# Altium PCB Ethernet2Mil_Adapter_Dual.PcbDoc (part 5 of 5)
Units mil, origin at the board's own origin, x right, y up, seen from the top; angles counter-clockwise.
Board outline 6000 x 4000 mil, 2 copper layers (Top Layer, Bottom Layer); 318 components, 359 nets, 3384 pads, 22 vias.
Unrouted connection lines stored in the file: 800.
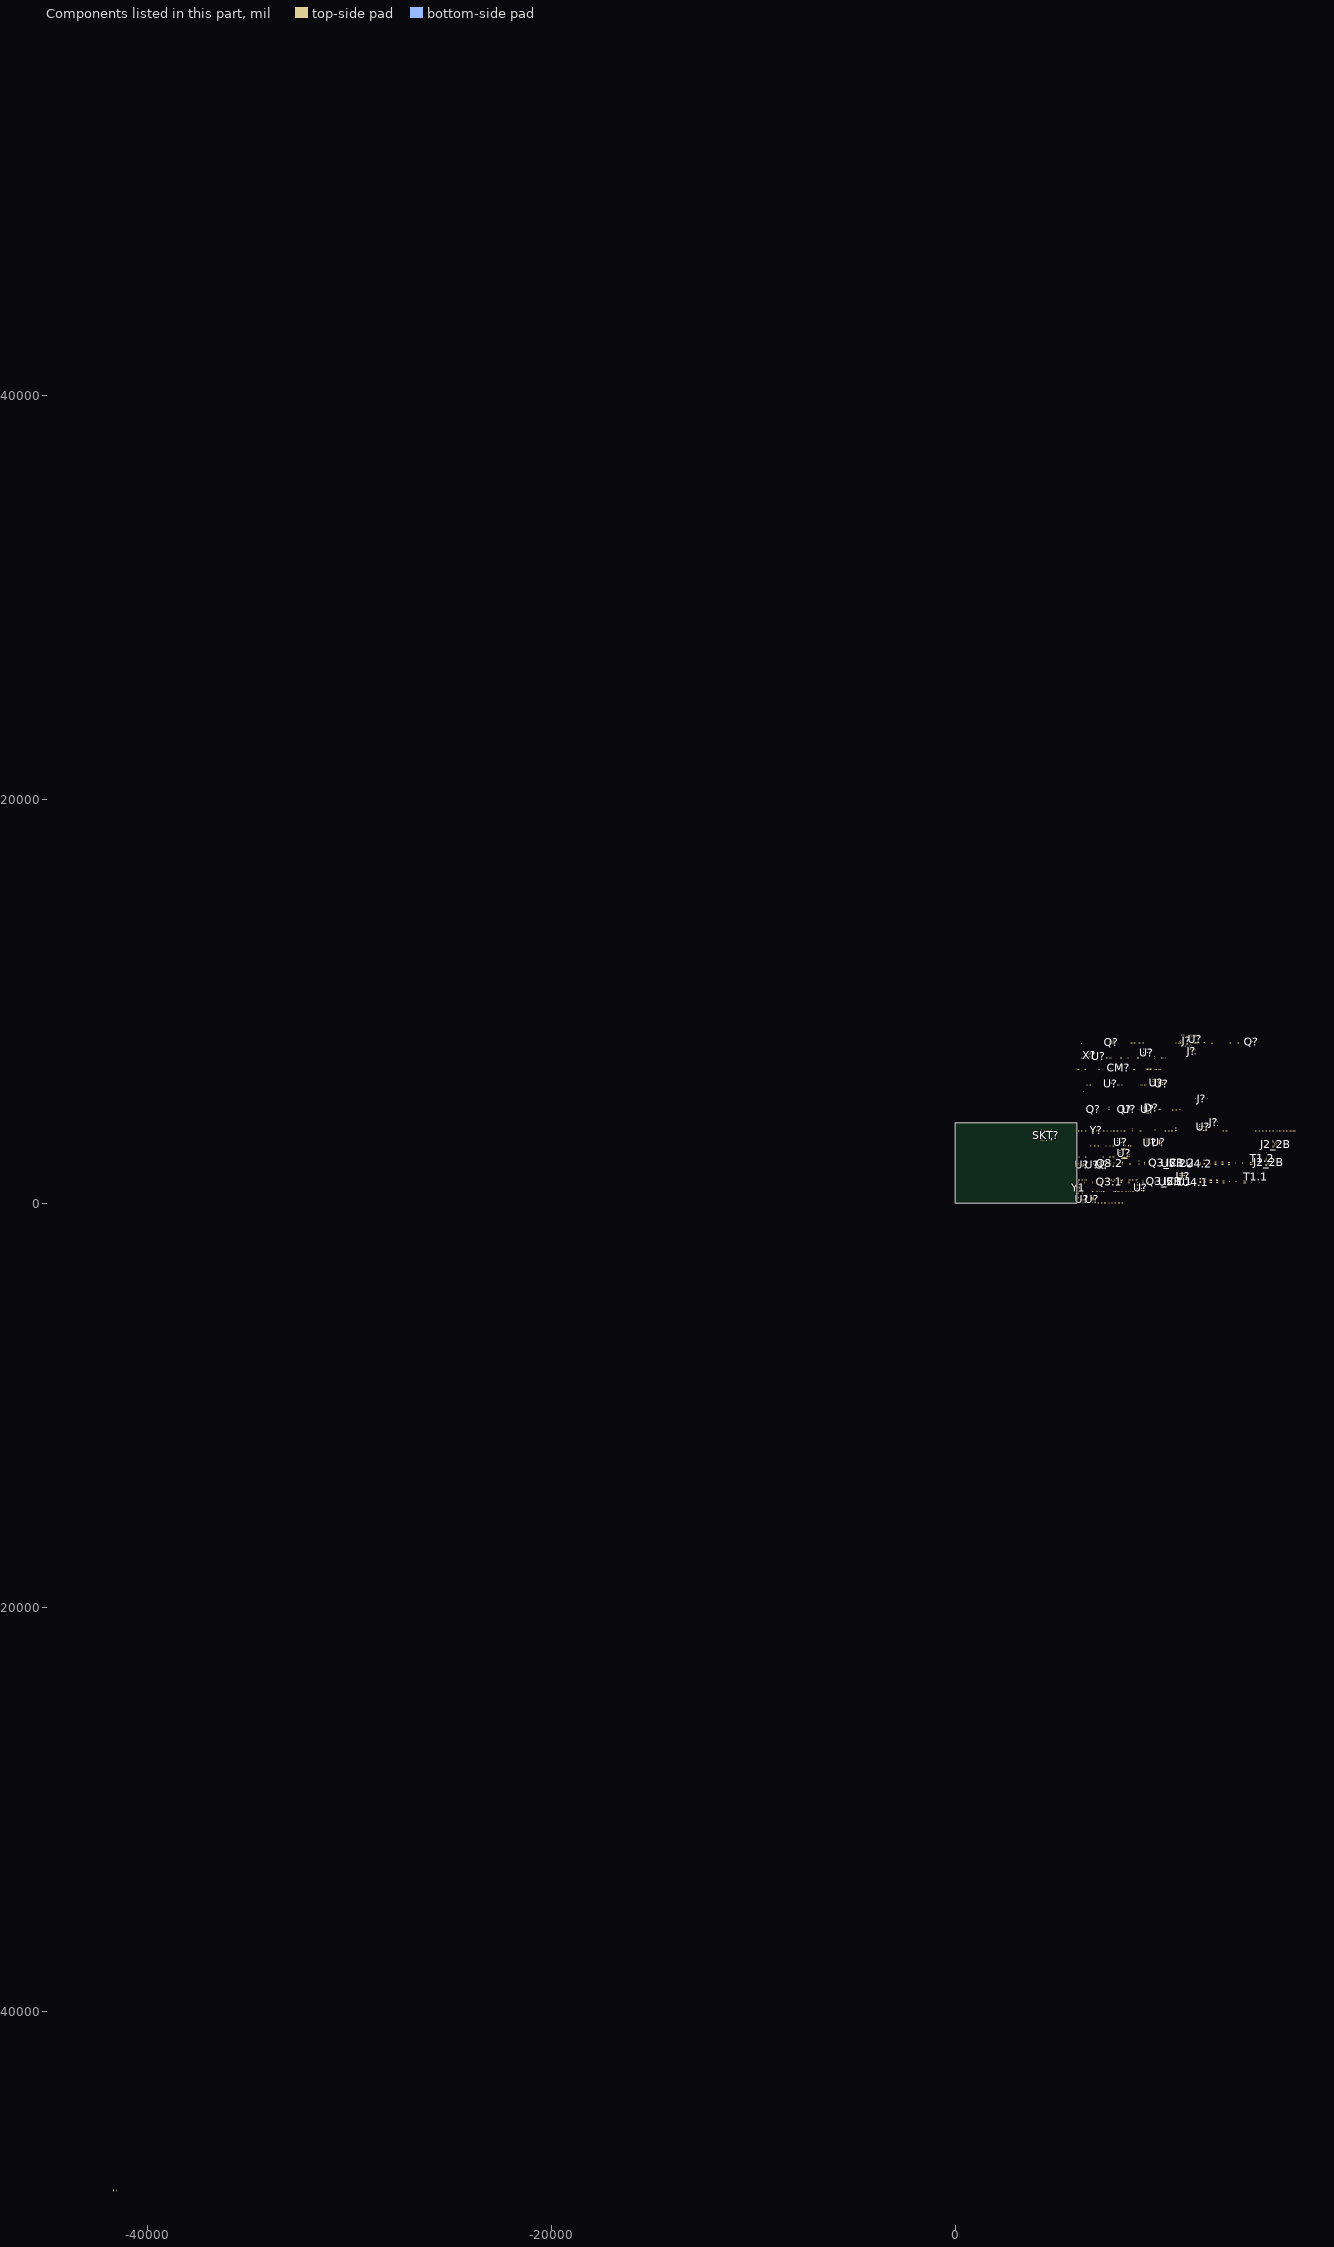
[diagram p5: the components of this part, seen from the top]

## Via types
v1: diameter 19.68, hole 7.87, Top Layer to Bottom Layer, 12 vias
v2: diameter 23.62, hole 9.84, Top Layer to Bottom Layer, 9 vias
v3: diameter 177.17, hole 118.11, Top Layer to Bottom Layer, 1 vias

## Nets (pads, with @x,y where several pads share a name; then routed paths per layer and width w, separated by ;. In a path a pad name is that pad's centre, name@x,y a point inside that pad or via, vN(x,y) a via of type N, cw(c..) or ccw(c..) an arc to the next point about the centre after c; other vN are vias at no path point) (continued)
pads on no net: U?.W16@9763.11,2832.83 U?.W16@10107.17,6093.11 U?.W16@10387.17,6043.11 U?.W16@11393.11,1162.83 U?.W16@12432.17,3903.11 U?.W17@7402.8,1727.83 U?.W17@8322.8,2857.83 U?.W17@9597.8,7287.83 U?.W17@9662.8,4472.83 U?.W17@9782.8,2832.83 U?.W17@10107.17,6112.8 U?.W17@10387.17,6062.8 U?.W17@11412.8,1162.83 U?.W17@12432.17,3922.8 U?.W18@7422.48,1727.83 U?.W18@8342.48,2857.83 U?.W18@9617.48,7287.83 U?.W18@9682.48,4472.83 U?.W18@9802.48,2832.83 U?.W18@10107.17,6132.48 U?.W18@10387.17,6082.48 U?.W18@11432.48,1162.83 U?.W18@12432.17,3942.48 U?.W19@7442.17,1727.83 U?.W19@8362.17,2857.83 U?.W19@9637.17,7287.83 U?.W19@9702.17,4472.83 U?.W19@9822.17,2832.83 U?.W19@10107.17,6152.17 U?.W19@10387.17,6102.17 U?.W19@11452.17,1162.83 U?.W19@12432.17,3962.17
copper on no net:
  other v3: 6145,5585

## Text inside footprints (layer, text, board x,y; h text height)
D?: Mechanical 13 "+" at 13915.86,7960.02 h19.68
D?: Mechanical 13 "+" at 9289.98,4630.86 h19.68 r90
D?: Mechanical 13 "+" at 6050.86,2315.02 h19.68
J?: Mechanical 13 "1" at 11743.72,7760.99 h39.37
T1.1: Top Overlay "2" at 14625,1135 h60; Top Overlay "4" at 14700,1295 h60; Top Overlay "6" at 14630,1470 h60; Top Overlay "1" at 15040,1140 h60; Top Overlay "3" at 14960,1295 h60; Top Overlay "5" at 15030,1465 h60; Top Overlay "T?" at 14590,1680 h60
T1.2: Top Overlay "2" at 14965,2045 h60; Top Overlay "4" at 15040,2205 h60; Top Overlay "6" at 14970,2380 h60; Top Overlay "1" at 15380,2050 h60; Top Overlay "3" at 15300,2205 h60; Top Overlay "5" at 15370,2375 h60; Top Overlay "T?" at 14930,2590 h60
U?: Top Overlay "Designator502" at 8512,4774 h50; Top Overlay "RefDes" at 8695,4685 h50
U?: Top Overlay "Designator502" at 6197,2009 h50; Top Overlay "RefDes" at 6380,1920 h50
U?: Top Overlay "Designator502" at 7591,5837 h50 r90; Top Overlay "RefDes" at 7680,6020 h50 r90